# KiCad board AmigaPCI Mainboard.kicad_pcb (continued)
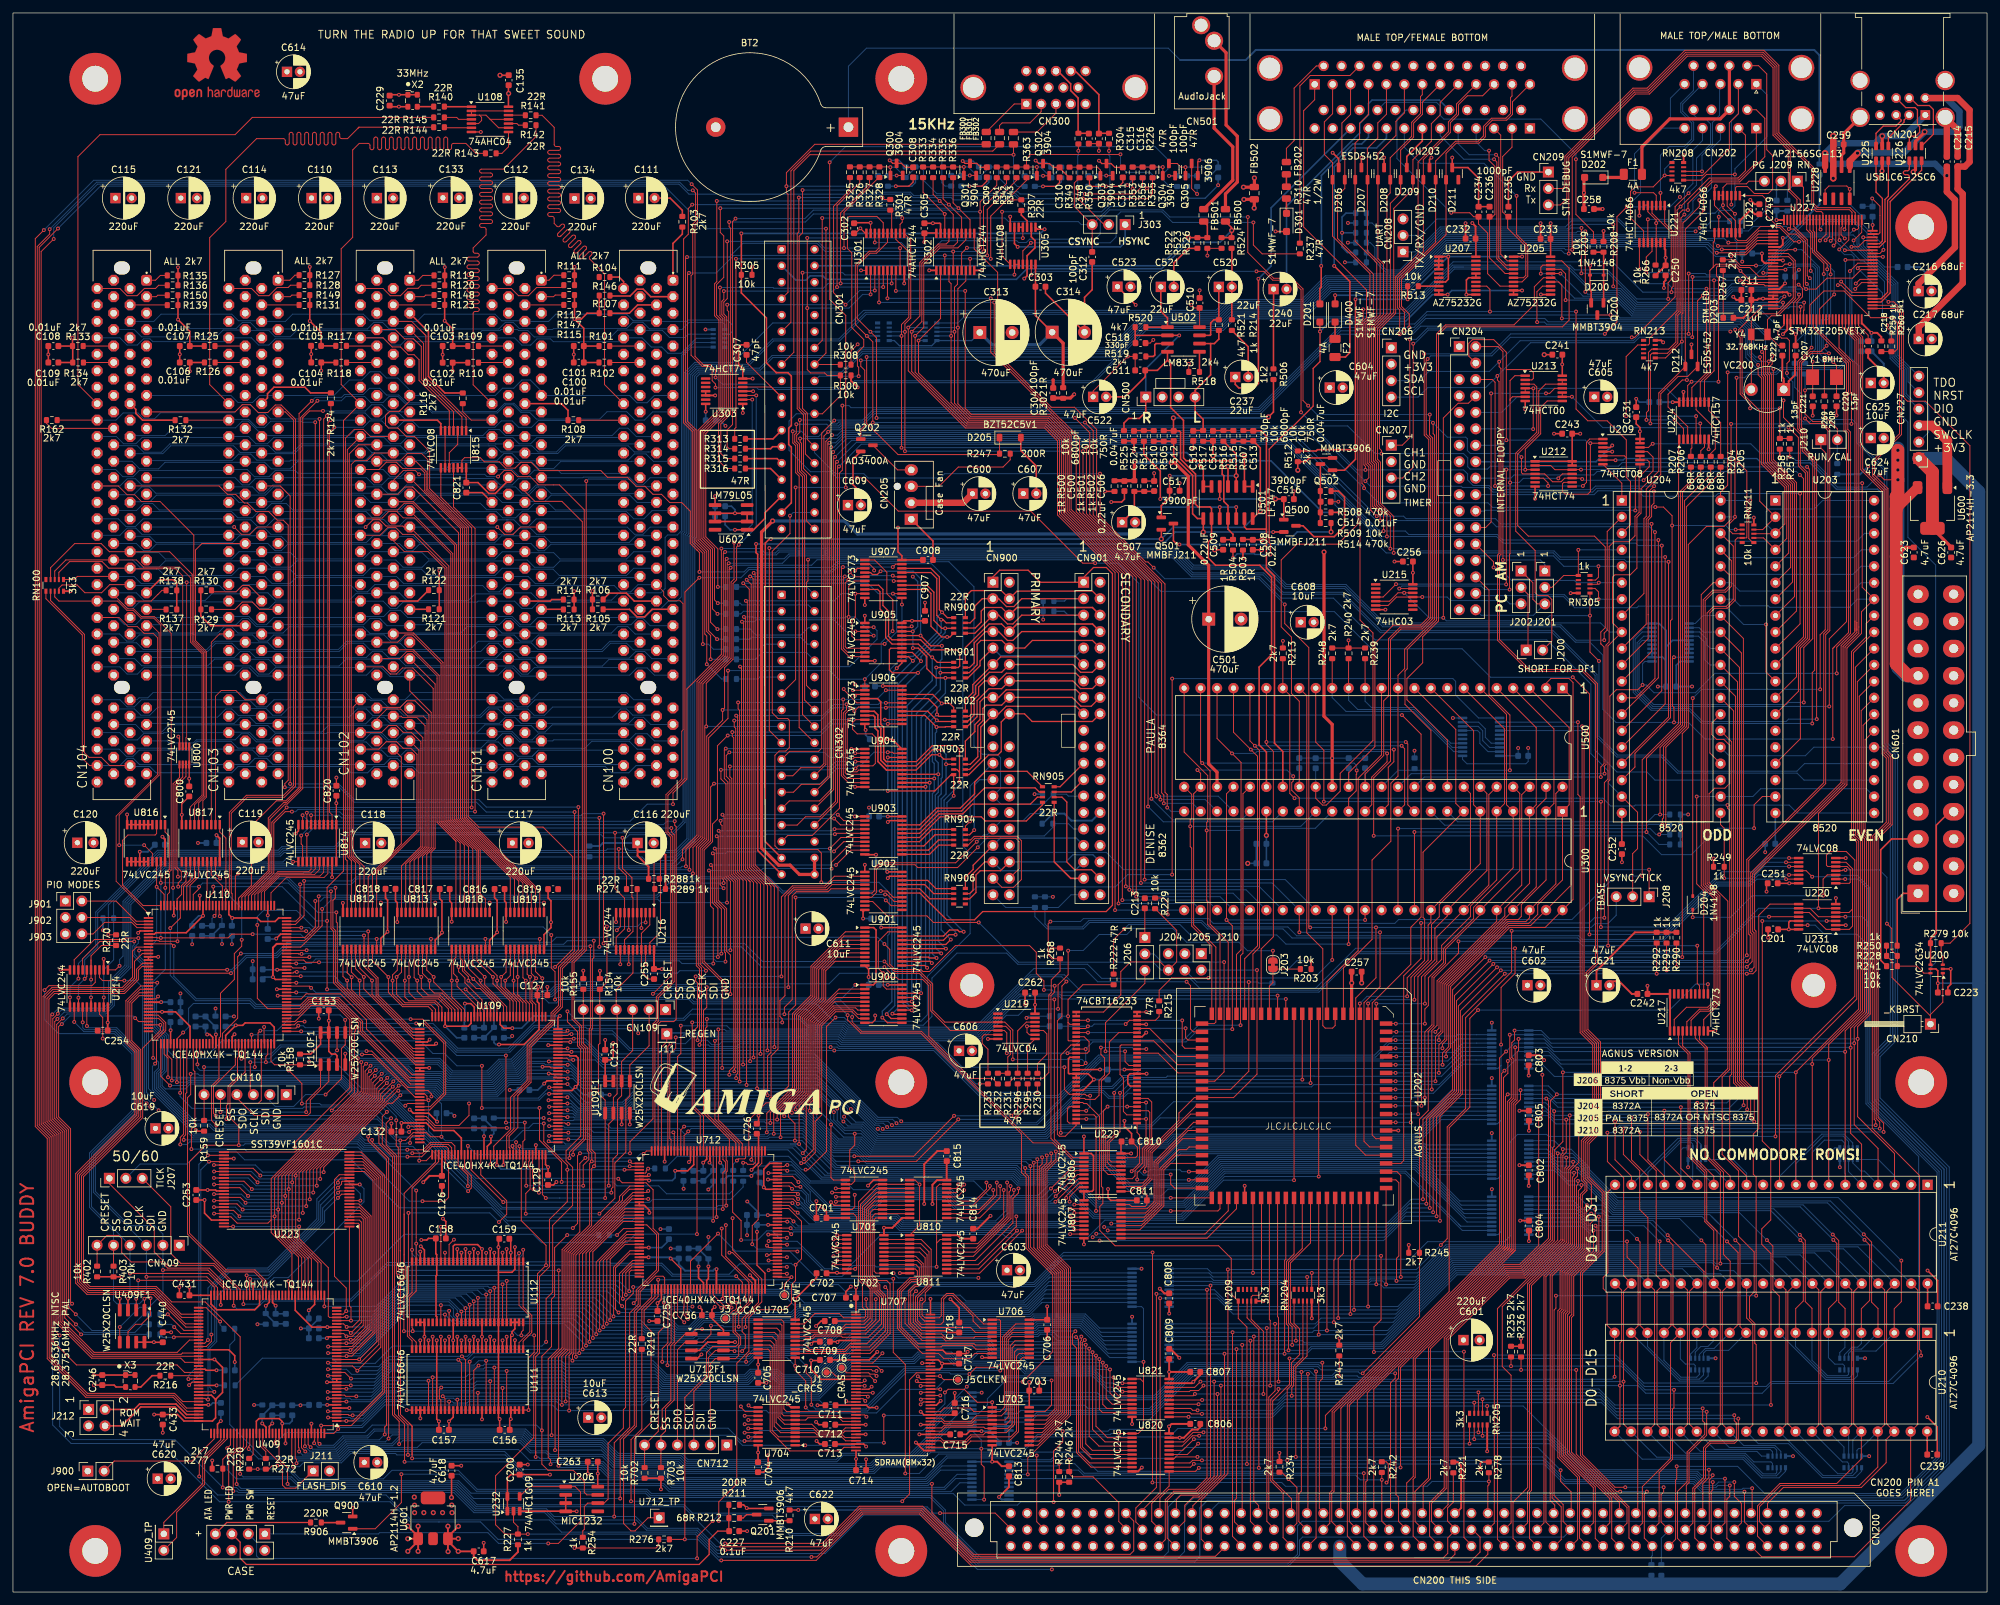
[diagram p0: board, top side]
## Routing (per net, layer and track width the routed paths; a pad name or vN(x,y) marks a point on that pad's centre or on a via; arc(x,y) is an arc through that point) (continued)
AD14: length 136.2
  Top w0.13: 60.52,147.79 59.41,146.67 CN102.B45
  Top w0.15: U818.7 69.69,115.35 66.1,118.95 66.1,143.42 61.73,147.79 60.52,147.79
  Bottom w0.13: 15.64,146.58 19.09,146.58 20.11,145.56 29.95,145.56 31.21,146.82 35.72,146.82 ; 76.34,146.82 71.85,146.82 70.58,145.55 60.74,145.55 59.74,146.55 56.29,146.55 ; 56.03,146.82 51.51,146.82 50.25,145.56 40.42,145.56 39.4,146.58 35.95,146.58 ; 96.66,146.81 92.15,146.81 90.89,145.55 81.05,145.55 80.03,146.57 76.58,146.57
AD15: length 133.3
  Top w0.15: 58.87,148.09 61.85,148.09 66.4,143.54 66.4,119 70.34,115.06 U818.6
  Bottom w0.13: 58.86,148.08 69.13,148.08 70.13,149.08 74.51,149.08 75.51,148.08 78.89,148.08 ; 58.63,148.04 55.11,148.04 54.1,149.05 42.66,149.05 41.7,148.09 38.55,148.09 ; 79.17,148.08 92.39,148.08 93.39,149.08 94.93,149.08 96.07,147.94 99.35,147.94 ; 18.23,148.09 31.64,148.09 32.6,149.05 33.78,149.05 34.74,148.09 38.26,148.09
AD16: length 149.2
  Top w0.13: 61.64,160.66 60.41,160.66 58.72,162.34 CN102.A32
  Top w0.15: 71,104.95 71,114.76 66.7,119.06 66.7,158.06 64.09,160.66 61.64,160.66
  Bottom w0.13: 18.24,163.03 21.12,163.03 22.07,162.08 33.93,162.08 34.96,163.11 38.33,163.11 ; 79.18,163.02 81.11,163.02 81.12,163.03 82.05,163.03 83,162.08 95.16,162.08 96.19,163.11 99.29,163.11 ; 58.87,163.02 61.75,163.02 62.74,162.03 74.38,162.03 75.45,163.1 78.96,163.1 ; 38.55,163.03 41.43,163.03 42.38,162.08 54.58,162.08 55.62,163.12 58.66,163.12
AD17: length 155
  Top w0.13: 60.94,163.33 60.14,163.33 59.1,164.37 57.86,164.37 56.68,163.19 CN102.B32
  Top w0.15: U818.4 71.65,114.46 67,119.11 67,158.18 61.85,163.33 60.94,163.33
  Bottom w0.13: 33.48,163.34 36.52,163.34 37.47,164.29 38.86,164.29 39.82,163.33 53.49,163.33 ; CN104.B32 16.52,163.19 17.63,164.29 18.96,164.29 19.92,163.33 33.18,163.33 ; 53.81,163.35 57.03,163.35 57.97,164.29 59.18,164.29 60.15,163.32 73.83,163.32 ; 74.11,163.33 77.15,163.33 78.11,164.29 79.89,164.29 80.85,163.33 94.11,163.33
AD18: length 149.1
  Top w0.13: 77.23,163.33 78.35,164.45 CN101.A31 ; CN103.A31 37.72,164.45 36.6,163.34 35.27,163.34 v1(34.15,164.46)
  Top w0.15: v1(54.45,164.45) 55.59,165.59 56.63,165.59 57.61,164.61 60.2,164.61 60.35,164.45 CN102.A31 67.3,158.42 67.3,119.16 71.9,114.57 71.9,107.73 72.29,107.33 U818.3 ; 77.23,163.33 75.9,163.33 v1(74.78,164.45)
  Bottom w0.13: v1(74.78,164.45) 74.76,164.45 74.77,164.44 61.26,164.44 ; CN104.A31 34.13,164.45 34.13,164.46 v1(34.15,164.46) ; 101.89,164.44 98.39,164.44 97.29,163.34 95.96,163.34 94.85,164.44 81.57,164.44 ; CN103.A31 v1(54.45,164.45)
AD19: length 159.6
  Top w0.13: 53.75,165.83 57,165.83 58.02,166.85 59.28,166.85 60.26,165.87 62,165.87 67.6,160.27 67.6,159.63
  Top w0.15: U818.2 72.94,107.03 72.15,107.83 72.15,114.67 67.6,119.22 67.6,159.63
  Bottom w0.13: 94.27,165.71 80.78,165.71 79.61,164.55 78.37,164.55 77.35,165.57 76.18,165.57 76.46,165.57 74.12,165.57 ; CN101.B30 60.74,165.72 59.62,164.61 58.26,164.61 57.24,165.63 53.74,165.63 ; CN103.B30 20.09,165.72 18.92,164.55 17.44,164.55 16.26,165.72 CN104.B30 ; 53.63,165.72 40.32,165.72 39.15,164.55 37.75,164.55 36.73,165.57 33.48,165.57
AD20: length 152.2
  Top w0.15: U819.9 76.79,110.38 67.9,119.27 67.9,160.36 CN102.A29
  Bottom w0.13: 101.89,166.98 98.68,166.98 97.41,165.72 95.85,165.72 94.71,166.86 81.72,166.86 ; 40.85,166.9 38,166.9 36.99,165.89 34.72,165.89 33.75,166.86 20.76,166.86 ; 81.48,166.89 78.63,166.89 77.62,165.88 75.61,165.88 74.66,166.83 61.43,166.83 ; 61.11,166.84 57.59,166.84 56.64,165.89 55.47,165.89 54.5,166.86 41.08,166.86
AD21: length 159.3
  Top w0.13: 68.2,161.38 68.2,161.62 61.7,168.12 60.41,168.12 59.38,167.09 56.28,167.09
  Top w0.15: U819.8 77.44,110.08 68.2,119.32 68.2,161.38
  Bottom w0.13: 56.33,167.14 59.85,167.14 60.84,168.13 72.15,168.13 73.15,167.13 76.37,167.13 ; 76.63,167.12 79.52,167.12 80.5,168.1 82.73,168.1 83.74,167.09 96.73,167.09 ; 35.77,167.09 22.58,167.09 21.57,168.1 20.17,168.1 19.06,166.99 CN104.B29 ; 56.08,167.09 43.21,167.09 42.2,168.1 39.94,168.1 38.97,167.13 36,167.13
AD22: length 157.5
  Top w0.15: U819.7 78.09,109.79 68.5,119.38 68.5,161.69 61.83,168.36 58.82,168.36
  Bottom w0.13: 58.71,168.26 55.21,168.26 54.1,169.38 42.47,169.38 41.45,168.36 38.49,168.36 ; 58.82,168.36 61.78,168.36 62.8,169.38 74.43,169.38 75.55,168.25 79.04,168.25 ; 99.35,168.25 96.36,168.25 95.24,169.38 83.11,169.38 82.15,168.42 79.2,168.42 ; 18.18,168.36 21.14,168.36 22.16,169.38 33.79,169.38 34.9,168.26 CN103.A28
AD23: length 162.7
  Top w0.13: 60.53,170.65 59.41,169.53 CN102.B27 ; 68.8,119.92 68.8,119.42 78.74,109.48 U819.6
  Top w0.15: 68.8,119.92 68.8,163.58 61.73,170.65 60.53,170.65
  Bottom w0.13: 35.72,169.68 22.06,169.68 21.09,170.65 19.86,170.65 18.65,169.44 15.64,169.44 ; 76.34,169.68 62.7,169.68 61.73,170.65 60.77,170.65 59.55,169.43 56.27,169.43 ; 56.03,169.68 42.38,169.68 41.41,170.65 40.25,170.65 38.99,169.39 36,169.39 ; 96.75,169.61 83.09,169.61 82.05,170.65 81.12,170.65 81.11,170.64 80.88,170.64 79.62,169.38 76.63,169.38
AD24: length 159.1
  Top w0.15: CN102.A25 69.1,164.24 69.1,119.46 79.39,109.17 U819.5
  Bottom w0.13: 40.8,171.93 37.41,171.93 36.44,170.96 35.4,170.96 34.29,172.07 CN104.A25 ; 81.43,171.92 78.04,171.92 77.07,170.95 75.24,170.95 74.23,171.96 70.06,171.96 69.95,172.06 61.26,172.06 ; 81.57,172.06 87.98,172.06 88.07,172.16 95.18,172.16 96.37,170.97 97.28,170.97 98.38,172.06 101.89,172.06 ; 61.19,172 57.99,172 56.95,170.96 55.72,170.96 54.61,172.07 CN103.A25
AD25: length 171.2
  Top w0.13: 69.4,163.47 69.4,164.28 63.56,170.11 63.56,172.83
  Top w0.15: 63.56,172.83 62.92,173.48 60.17,173.48 59.18,174.47 57.64,174.47 56.51,173.34 CN102.B24 ; U819.4 80.04,108.87 69.4,119.51 69.4,163.47
  Bottom w0.13: 53.63,173.34 53.04,172.75 44.01,172.75 43.55,173.21 40.52,173.21 39.54,172.23 37.28,172.23 36.16,173.34 33.31,173.34 ; CN102.B24 57.15,173.34 58.26,172.23 59.86,172.23 60.9,173.27 67.09,173.27 67.37,173.55 73.76,173.55 ; 33.16,173.18 19.5,173.18 18.55,172.23 16.97,172.23 15.85,173.34 CN104.B24 ; 73.95,173.33 77.09,173.33 78.2,172.22 79.49,172.22 80.5,173.24 84.15,173.24 84.64,172.74 93.67,172.74 94.27,173.33
AD26: length 162.2
  Top w0.13: 69.7,163.86 69.7,164.3 63.81,170.2 63.81,173.02
  Top w0.15: 63.81,173.02 62.21,174.61 CN102.A23 ; U819.3 80.69,108.57 69.7,119.56 69.7,163.86
  Bottom w0.13: 61.13,174.75 57.86,174.75 56.86,175.75 55.43,175.75 54.46,174.78 42.9,174.78 42.76,174.64 40.97,174.64 ; 20.72,174.71 33.82,174.71 34.83,175.72 36.72,175.72 37.66,174.78 40.78,174.78 ; 81.52,174.68 78.2,174.68 77.06,175.82 75.82,175.82 74.75,174.75 61.4,174.75 ; 101.89,174.6 98.88,174.6 97.74,175.75 95.95,175.75 94.98,174.78 81.75,174.78
AD27: length 169.6
  Top w0.13: 70,163.89 70,164.33 64.04,170.29 64.04,172.7 64.05,172.71 64.05,174.86 63.1,175.81 60.9,175.81 59.86,174.77 56.34,174.77
  Top w0.15: U819.2 81.34,108.28 70,119.62 70,163.89
  Bottom w0.13: 76.64,174.45 80.19,174.45 81.13,173.51 83.5,173.51 84.54,174.55 95.44,174.55 95.51,174.61 CN100.B23 ; 76.34,174.45 67.85,174.45 66.9,173.5 60.82,173.5 59.8,174.52 56.28,174.52 ; 35.7,174.45 23.49,174.45 22.48,173.44 19.57,173.44 18.39,174.61 CN104.B23 ; 56.12,174.55 43.9,174.55 42.79,173.44 39.89,173.44 38.87,174.46 36.01,174.46
AD28: length 160.9
  Top w0.13: 54.57,174.7 52.81,174.7 52.23,174.12 52.23,173.44
  Top w0.15: U812.6 53.56,112.33 52.23,113.66 52.23,173.44 ; CN102.A22 55.84,175.88 54.66,174.7 54.57,174.7
  Bottom w0.13: 58.62,175.98 55.39,175.98 54.37,177 44.66,177 43.44,175.78 38.51,175.78 ; 38.31,175.98 35.08,175.98 34.06,177 24.35,177 23.13,175.78 18.19,175.78 ; 99.2,176.05 98.08,176.05 98.08,176.05 95.95,176.05 95,176.99 85.29,176.99 84.12,175.82 79.11,175.82 ; 78.88,176.05 75.38,176.05 74.43,177 73.5,177 73.49,176.99 64.98,176.99 63.76,175.77 58.84,175.77
AD29: length 159.9
  Top w0.15: 56.18,177.16 53.34,177.16 51.93,175.75 51.93,113.6 52.91,112.63 U812.7
  Bottom w0.13: 76.35,177.29 74.56,177.29 74.55,177.3 73.38,177.3 73.37,177.29 64.85,177.29 63.56,176 60.83,176 59.82,177.01 56.32,177.01 ; 76.63,177.01 80.13,177.01 81.09,176.05 83.92,176.05 85.16,177.29 96.66,177.29 ; 15.68,177.02 19.19,177.02 20.19,176.01 22.93,176.01 24.22,177.3 35.72,177.3 ; 56.03,177.3 44.53,177.3 43.24,176.01 40.5,176.01 39.5,177.02 35.99,177.02
AD30: length 166.6
  Top w0.13: 51.33,177.62 51.33,178.18 52.69,179.54 54.09,179.54 55.21,178.42 CN102.A20
  Top w0.15: 51.33,177.62 51.33,113.19 51.6,112.91 U812.9
  Bottom w0.13: 18.23,178.57 23.48,178.57 24.68,179.77 34.37,179.77 35.4,180.81 36.33,180.81 38.4,178.74 ; 58.87,178.57 72.55,178.57 73.51,179.53 75.09,179.53 76.04,178.58 78.89,178.58 ; 58.63,178.52 55.11,178.52 54.1,179.53 52.87,179.53 51.91,178.57 38.55,178.57 ; 79.18,178.57 92.5,178.57 93.66,179.73 94.94,179.73 96.25,178.41 99.35,178.41
AD31: length 158.2
  Top w0.15: CN102.B20 51.63,176.41 51.63,113.55 52.26,112.92 ; U812.8 52.25,112.92
  Bottom w0.13: 53.78,178.29 57.3,178.29 58.27,177.32 59.85,177.32 60.8,178.27 73.81,178.27 ; 74.13,178.26 77.2,178.26 78.15,177.31 79.92,177.31 80.89,178.27 94.1,178.27 ; 53.48,178.27 40.24,178.27 39.29,177.32 37.52,177.32 36.41,178.42 33.31,178.42 ; CN104.B20 15.97,178.42 17.08,177.32 18.98,177.32 19.93,178.27 33.17,178.27
AGNUS_REV: length 59.6
  Top w0.15: v1(120.84,107.25) 120.84,90.63 119.77,89.56 119.77,78.15 117.16,75.54 116.27,75.54 113.62,72.88 U712.114 ; U902.12 135.59,105.99 v1(134.77,106.81)
  Bottom w0.15: v1(134.77,106.81) 134.33,107.25 v1(120.84,107.25)
AgnusCLK: length 218.3
  Top w0.15: v1(181.21,94.24) 181.82,93.63 181.82,86.93 182.24,86.51 U202.34 ; v1(82.32,38.63) 82.32,45.3 83.33,46.31 83.33,56.62 86.41,59.69 86.41,65.6 85.4,66.62 85.4,68.13 87.66,70.4 87.66,83.84 87.16,84.34 87.16,86.52 85.61,88.07 v1(85.61,89.67)
  Bottom w0.15: v1(82.32,38.63) 81.67,37.98 58.59,37.98 55.92,35.31 50.12,35.31 49.32,36.11 38.5,36.11 R217.1 ; v1(85.61,89.67) 86.68,88.6 103.52,88.6 104.93,90 122.5,90 124.67,87.83 128.37,87.83 128.98,87.23 148.58,87.23 157.63,96.28 165.44,96.28 167.48,94.24 v1(181.21,94.24)
AREV: length 83.4
  Top w0.15: U902.8 132.73,106.64 134.95,104.41 141.11,104.41 142.12,103.4 v1(149.11,103.4) ; 176.34,105.52 179.68,102.19 179.68,97.32 AGNUS1.6 177.14,97.3 172.54,97.3 171.05,95.81 171.05,92.23 168.38,89.56 U229.29 U229.30
  Bottom w0.15: v1(149.11,103.4) 155.25,97.26 176.04,97.26 177.26,96.04 AGNUS1.6
ATA_LED: length 15.4
  Top w0.2: R906.2 33.02,10.74 CN_CASE1.7
AUDIN: length 12.3
  Top w0.25: C240.1 194.64,198.92 194.62,198.9 R506.1
AUDIO: length 200.8
  Top w0.15: C517.2 180.13,171.24 ; C510.2 v1(183.22,201.01) ; v1(184.42,206.37) 184.41,206.38 R523.1 R526.1 ; C522.1 166.78,185.45 v1(172.13,190.8) R519.2 C511.1 ; C519.1 182.24,176.58 v1(182.25,176.57) ; 185.55,160.94 v2(185.54,160.94) ; 197.77,169.97 v1(197.77,169.98) ; v1(204.64,168.37) 204.64,168.37 C514.2 ; v1(176.07,193.35) 175.58,192.86 C518.1 ; R518.2 v1(181.55,189.66)
  Top w0.2: v1(176.2,172.77) C506.2 174.72,171.56
  Top w0.25: C509.1 185.55,160.94 ; C516.2 197.77,169.97 ; C508.2 v2(192.77,160.94)
  Top w0.5: v2(202.43,160.6) 202.42,135.25 203.69,133.98 v1(203.69,128.77) U500.34 ; v2(117.29,165.39) 115.58,163.68 115.58,114.89 118.23,112.25 119.99,112.25 121.43,110.81 CN302.36 CN302.34 ; v2(190.06,215.04) 190.08,215.06 FB502.1 191.66,213.72 v2(191.65,213.71)
  Bottom w0.15: C202.2 v1(203.69,128.77) 203.69,128.77 C205.2
  Bottom w0.5: v2(117.29,165.39) 128.39,165.39 130.4,163.38 172.58,163.38 173.25,164.06 C507.2
  vias: v1(180.14,171.25)
AUDOUT: length 11
  Top w0.25: 188.21,201.47 188.21,207.39 ; C520.2 188.19,196.48
B0: length 83.8
  Top w0.15: U302.9 147.77,205.87 v1(147.78,205.87) ; R363.1 156.49,217.99 150.97,212.47 v1(150.97,205.87) ; R313.2 111.44,179.64 111.63,179.83 v1(111.63,205.87)
  Bottom w0.15: v1(150.97,205.87) v1(147.78,205.87) v1(111.63,205.87)
B1: length 126.9
  Top w0.15: v1(104.38,203.69) 104.15,203.46 104.15,180.79 105.47,179.46 105.47,162.31 107.12,160.67 107.12,148.32 107.72,147.72 v1(107.72,144.03) ; R343.1 154.95,218 150.43,213.48 v1(150.43,206.4) ; v1(143.88,206.4) 143.87,206.39 U302.3
  Bottom w0.15: v1(104.38,203.69) 108.57,203.69 111.28,206.4 v1(143.88,206.4) 146.25,206.4 v1(150.43,206.4) ; v1(107.72,144.03) R323.2
B2: length 131.2
  Top w0.15: v1(149.85,207.01) 149.86,207.01 149.86,213.94 153.41,217.5 R342.1 ; v1(104.07,206.15) 103.85,205.92 103.85,180.66 105.18,179.34 105.18,162.19 106.81,160.55 106.81,147.95 107.13,147.63 v1(107.13,143.27) ; U302.5 145.17,207.01 v1(145.17,207.01)
  Bottom w0.15: v1(107.13,143.27) 109.41,140.99 R324.2 ; v1(104.07,206.15) 110.56,206.15 110.58,206.13 112.73,208.27 124.15,208.27 125.41,207.01 v1(145.17,207.01) v1(149.85,207.01)
B3: length 93.2
  Top w0.15: v1(147.3,207.58) 146.47,206.75 U302.7 ; R314.2 110.59,176.55 110.27,176.87 110.27,179.46 111.1,180.29 111.1,211.62 v1(111.57,212.08) ; R341.1 151.9,217.23 149.33,214.66 v1(149.33,213.15) v1(149.33,207.58)
  Bottom w0.15: v1(111.57,212.08) 122.27,212.08 123.58,213.39 145.5,213.39 145.74,213.15 v1(149.33,213.15) ; v1(147.3,207.58) v1(149.33,207.58)
BLUE: length 73.5
  Top w0.15: CN301.15 120.57,191.44 120.57,219.47 123.04,221.95 v1(154.49,221.95) 154.48,221.96 FB302.2
  Bottom w0.15: R347.2 155.07,217.05 154.49,217.63 v1(154.49,221.95)
BURST: length 40.7
  Top w0.15: U301.16 134.37,211.44 133.39,212.42 129.12,212.42 128.84,212.14 128.84,207.47 129.51,206.79 129.51,195.26 131.36,193.42 131.36,192.37 130.38,191.39 130.38,189.32 130.58,189.12 v1(130.58,187.75)
  Bottom w0.15: v1(130.58,187.75) 124.5,187.75 CN301.18
C1: length 245.6
  Top w0.15: v1(165.63,81.68) 165.26,81.31 U229.42 ; v1(154.38,82.25) 154.38,86.77 153.14,88.01 U219.3 143.86,88.01 142,89.87 142,93.9 140.07,95.82 136.1,95.82 v1(134.55,97.37) ; v1(45.37,120.33) 45.38,120.32 U814.8 ; v1(188.27,86.92) 188.27,102.88 v1(187.37,103.78) 187.37,106.96 187.38,106.96 187.38,123.26 U500.28 ; v1(91.19,100.16) v1(91.19,120.2) ; U229.38 165.63,83.85 v1(165.63,83.85) ; U300.36 v1(208.77,103.78)
  Bottom w0.15: v1(208.77,103.78) v1(187.37,103.78) ; v1(188.27,86.92) 183.09,86.92 181.12,84.95 166.73,84.95 v1(165.63,83.85) v1(165.63,81.68) 165.06,82.25 v1(154.38,82.25) ; v1(91.19,100.16) 112.94,100.16 115.73,97.37 v1(134.55,97.37) ; v1(45.37,120.33) 45.51,120.47 50.47,120.47 51.06,119.88 87.67,119.88 87.99,120.2 v1(91.19,120.2)
C3: length 222.5
  Top w0.15: v1(153.45,83.21) 153.45,86.34 153.08,86.71 U219.5 144.74,86.71 141.7,89.75 141.7,93.77 139.95,95.52 135.53,95.52 v1(134.55,96.5) ; U229.35 165.39,85.75 166.15,84.98 166.15,83.51 165.85,83.21 U229.39 162.82,83.21 v1(162.82,83.21) ; v1(189.54,87.53) 189.54,98.27 189.92,98.65 189.92,123.26 U500.29 ; v1(46.03,119.95) 46.03,119.94 U814.7 ; v1(90.54,99.64) v1(90.54,119.54)
  Bottom w0.15: v1(189.54,87.53) 183.04,87.53 180.76,85.25 164.86,85.25 v1(162.82,83.21) v1(153.45,83.21) ; v1(134.55,96.5) 115.6,96.5 112.46,99.64 v1(90.54,99.64) ; v1(90.54,119.54) 50.75,119.54 50.34,119.95 v1(46.03,119.95)
CBANK0: length 36.5
  Top w0.15: v1(131.51,32.68) 131.18,32.35 U707.22 ; U712.52 106.12,45.28 v1(106.12,45.28)
  In2.Cu w0.15: v1(131.51,32.68) 130.82,33.37 130.82,37.69 125.34,43.18 113.12,43.18 112.67,42.72 110.11,42.72 109.51,43.32 108.07,43.32 v1(106.12,45.28)
CBANK1: length 60.8
  Top w0.15: U707.23 v1(131.51,31.85) ; v1(95.84,44.61) 96.24,45.01 96.24,46.63 99.36,49.75 99.36,55.21 97.87,56.7 U712.20
  In2.Cu w0.15: v1(131.51,31.85) 130.52,32.83 130.52,37.56 125.21,42.88 113.35,42.88 112.9,42.43 109.99,42.43 109.4,43.01 105.98,43.01 v1(104.91,44.08)
  Bottom w0.15: v1(104.91,44.08) 96.37,44.08 v1(95.84,44.61)
CCLKE: length 41.1
  Top w0.15: U712.84 v1(116.68,54.2) ; J5.1 143.69,32.8 v1(143.14,33.35) U707.67
  In2.Cu w0.15: v1(116.68,54.2) 116.71,54.16 121.14,54.16 139.59,35.72 139.59,35.4 141.63,33.35 v1(143.14,33.35)
CDAC: length 64.9
  Top w0.15: v1(104.27,71.13) 103.62,70.48 U712.134 ; 156.66,78.46 156.66,75.01 v1(154.94,73.29) ; v1(145.96,72.99) 139.48,66.51 v1(130.52,66.51)
  Bottom w0.15: v1(145.96,72.99) 154.64,72.99 v1(154.94,73.29) ; v1(104.27,71.13) 104.72,71.58 121.99,71.58 127.07,66.51 v1(130.52,66.51)
CDONE: length 376.3
  Top w0.15: v1(79.03,72.5) 79.03,69.85 78.73,69.55 U109.65 78.73,65.72 78.49,65.47 78.49,57.35 82.31,53.53 v1(82.31,50.46) 81,49.15 81,37.13 80.41,36.54 80.41,23.84 74.52,17.96 74.52,10.39 75.96,8.95 R227.1 ; U232.2 77.29,10.78 77.97,10.1 R227.1 ; U110.65 v1(36.84,86.06) ; v1(76.12,82.85) 76.12,72.5 v1(76.12,72.5) ; v1(111.66,48.77) 112.62,47.82 U712.65 ; v1(123.29,5.41) 124.12,5.41 131.06,12.35 140.09,12.35 147.82,4.62 224.96,4.62 226.52,6.18 226.52,8.48 225.35,9.65 ; U409.65 v1(34.08,44.21) ; R227.1 v1(79.5,8.95)
  Bottom w0.15: v1(123.29,5.41) 108.9,5.41 105.37,8.95 v1(79.5,8.95) ; v1(76.12,72.5) v1(79.03,72.5) ; v1(34.08,44.21) 34.59,43.7 37.55,43.7 38.79,44.94 52.28,44.94 57.82,50.48 73.12,50.48 73.13,50.46 v1(82.31,50.46) 100.07,50.46 101.76,48.77 v1(111.66,48.77) ; v1(36.84,86.06) 65.31,86.06 68.52,82.85 v1(76.12,82.85)
CIAA8: length 107
  Top w0.15: U217.9 261.05,88.41 263.55,90.91 263.55,107.48 261.57,109.46 261.57,151.19 262.59,152.2 264.53,152.2 265.62,153.29 265.62,161.51 U204.38
  Bottom w0.15: U203.38 285.89,163.48 284.69,162.27 264.86,162.27 U204.38
CIAA9: length 105.8
  Top w0.15: U217.6 259.1,88.29 260.51,89.7 261.92,89.7 263.25,91.03 263.25,107.36 261.27,109.33 261.27,153.09 262.59,154.41 264.43,154.41 265.32,155.3 265.32,159.27 U204.37
  Bottom w0.15: U204.37 264.86,159.73 284.2,159.73 285.42,160.94 U203.37
CIAA10: length 103.3
  Top w0.15: U217.5 258.45,88.06 260.39,90 261.79,90 262.95,91.16 262.95,107.23 260.98,109.21 260.98,153.22 262.47,154.71 264.31,154.71 265.02,155.42 265.02,157.03 U204.36
  Bottom w0.15: U204.36 264.9,157.15 284.11,157.15 285.36,158.4 U203.36
CIAA11: length 101.2
  Top w0.15: U204.35 262.52,155.86 260.68,154.02 260.68,109.08 262.65,107.11 262.65,91.28 261.67,90.3 258.39,90.3 256.5,88.41 U217.2
  Bottom w0.15: U203.35 285.38,155.86 284.08,154.57 266.61,154.57 265.32,155.86 U204.35
CIAADL: length 305.1
  Top w0.15: v1(202.64,25.26) 202.64,27.27 221.75,46.38 221.75,71.7 224.94,74.89 224.94,88.59 v1(226.21,89.87) ; 261.7,92.36 v1(261.7,93.87)
  Bottom w0.15: v1(261.7,93.87) 259.79,93.87 255.79,89.87 v1(226.21,89.87) ; R293.2 34.24,38.92 33.48,38.16 33.48,25.88 38.5,20.86 50.34,20.86 51.78,22.3 62.41,22.3 63.17,23.06 78.3,23.06 79.86,21.5 82.28,21.5 82.83,20.96 90.95,20.96 92.62,19.29 102.4,19.29 103.36,18.33 133,18.33 134,19.32 139.44,19.32 141.72,21.6 150.7,21.6 150.7,21.61 155.88,21.61 158.23,23.95 178.56,23.95 179.87,25.26 v1(202.64,25.26)
CIAR_W: length 59.3
  Top w0.15: v1(259.97,122.84) 259.97,109.36 261.05,108.28 261.05,92.36
  Bottom w0.15: U203.22 286.15,124.05 269.85,124.05 268.64,122.84 U204.22 v1(259.97,122.84)
CLK7: length 49.1
  Top w0.15: v1(206.23,100.05) U300.35 ; v1(171.6,102.41) 169.94,100.75 R222.1
  Bottom w0.15: v1(206.23,100.05) 206.23,100.05 196.56,100.05 195.14,101.47 181.79,101.47 180.17,103.09 172.28,103.09 v1(171.6,102.41)
CLK28: length 4.3
  Top w0.15: U409.94 R216.1
CLK40A: length 183.5
  Top w0.15: U712.49 104.62,51.1 v1(108.86,55.35) ; 240.59,12.19 240.59,15.45 238.96,17.08 v1(238.96,18.81) ; v1(137.78,18.31) 137.78,18.31 137.78,35.15 135.92,37 v1(135.92,48.38)
  Bottom w0.15: v1(135.92,48.38) 124.18,48.38 119.91,52.65 111.56,52.65 v1(108.86,55.35) ; v1(238.96,18.81) 235.45,22.32 180.97,22.32 179.3,20.65 166.65,20.65 165.69,21.61 157.35,21.61 157.05,21.31 142.93,21.31 139.94,18.31 v1(137.78,18.31)
CLK40B: length 48.3
  Top w0.15: U109.49 70.73,65.19 v1(75.71,60.21)
  Bottom w0.15: R251.2 112.74,62.55 110.82,60.63 98.76,60.63 98.31,60.18 92.78,60.18 92.75,60.2 75.72,60.2 v1(75.71,60.21)
CLK40C: length 97.8
  Top w0.15: U409.129 40.58,23.5 40.45,23.37 v1(40.45,22.94) ; U206.7 88.6,15 88.22,15.39 88.22,17.07 86.49,18.8 82.62,18.8 81.66,19.75 v1(81.66,24.96) 81.66,36.41 83.14,37.89 83.14,45.22 83.63,45.71 83.63,53.18 v1(85.58,55.13)
  Bottom w0.15: v1(81.66,24.96) 80.84,25.78 55.47,25.78 54.33,24.64 42.15,24.64 v1(40.45,22.94) ; R218.2 v1(85.58,55.13)
CLK40D: length 104.3
  Top w0.15: U110.49 28.84,83.48 v1(29.1,83.22) ; v1(81.3,74.75) 81.3,69.79 84.71,66.38 84.71,63.34 v1(84.72,63.33) ; v1(72.4,81.26) v1(72.4,74.75)
  Bottom w0.15: R252.2 111.21,62.09 110.62,61.5 100.93,61.5 99.71,62.72 93.26,62.72 92.65,63.33 v1(84.72,63.33) ; v1(72.4,74.75) v1(81.3,74.75) ; v1(72.4,81.26) 68.54,81.26 66.64,83.16 64.84,83.16 62.89,85.11 32.29,85.11 30.4,83.22 v1(29.1,83.22)
CLKCIA: length 420.7
  Top w0.15: v1(37.79,18.99) 37.78,18.98 R220.2
  Bottom w0.15: v1(37.79,18.99) 42.37,18.99 44.18,17.18 68.81,17.18 70.73,15.26 97.68,15.26 98.34,14.6 141.62,14.6 143.67,12.55 143.67,10.64 149.32,4.99 179.63,4.99 180.88,6.24 180.88,13.15 182.28,14.55 291.75,14.55 297.77,20.57 297.77,65.11 287.08,75.8 287.08,83.09 289.87,85.87 289.87,129.05 288.46,130.46 U203.25 278.06,130.46 276.74,129.14 264.97,129.14 U204.25
CLKPCI0: length 99.7
  Top w0.15: CN100.B16 91.34,186.45 91.34,203.56 89.08,205.82 arc(88.99,206.03) 89.08,206.24 89.33,206.49 arc(89.41,206.7) 89.33,206.92 arc(89.11,207) 88.9,206.92 87.98,205.99 arc(87.76,205.9) 87.55,205.99 arc(87.46,206.2) 87.55,206.42 88.48,207.34 arc(88.57,207.55) 88.48,207.77 arc(88.27,207.85) 88.05,207.77 87.13,206.84 arc(86.92,206.75) 86.7,206.84 arc(86.62,207.05) 86.7,207.26 87.63,208.19 arc(87.72,208.4) 87.63,208.61 arc(87.42,208.7) 87.21,208.61 86.28,207.69 arc(86.07,207.6) 85.86,207.69 arc(85.77,207.9) 85.86,208.11 86.78,209.04 arc(86.87,209.25) 86.78,209.46 arc(86.57,209.55) 86.36,209.46 85.43,208.54 arc(85.22,208.45) 85.01,208.54 arc(84.92,208.75) 85.01,208.96 85.93,209.89 arc(86.02,210.1) 85.93,210.31 arc(85.72,210.4) 85.51,210.31 84.58,209.39 arc(84.37,209.3) 84.16,209.39 arc(84.07,209.6) 84.16,209.81 85.08,210.74 arc(85.17,210.95) 85.08,211.16 arc(84.87,211.25) 84.66,211.16 84.41,210.91 arc(84.2,210.82) 83.99,210.91 83.57,211.33 83.57,212.12 arc(83.48,212.33) 83.27,212.42 82.87,212.42 arc(82.65,212.51) 82.57,212.72 arc(82.65,212.93) 82.87,213.02 84.27,213.02 arc(84.48,213.11) 84.57,213.32 arc(84.48,213.53) 84.27,213.62 82.87,213.62 arc(82.65,213.71) 82.57,213.92 arc(82.65,214.13) 82.87,214.22 84.27,214.22 arc(84.48,214.31) 84.57,214.52 arc(84.48,214.73) 84.27,214.82 82.87,214.82 arc(82.65,214.91) 82.57,215.12 arc(82.65,215.33) 82.87,215.42 84.27,215.42 arc(84.48,215.51) 84.57,215.72 arc(84.48,215.93) 84.27,216.02 82.87,216.02 arc(82.65,216.11) 82.57,216.32 arc(82.65,216.53) 82.87,216.62 84.27,216.62 arc(84.48,216.71) 84.57,216.92 arc(84.48,217.13) 84.27,217.22 82.87,217.22 arc(82.65,217.31) 82.57,217.52 arc(82.65,217.73) 82.87,217.82 84.27,217.82 arc(84.48,217.91) 84.57,218.12 arc(84.48,218.33) 84.27,218.42 82.87,218.42 arc(82.65,218.51) 82.57,218.72 arc(82.65,218.93) 82.87,219.02 84.27,219.02 arc(84.48,219.11) 84.57,219.32 arc(84.48,219.53) 84.27,219.62 82.87,219.62 arc(82.65,219.71) 82.57,219.92 arc(82.65,220.13) 82.87,220.22 84.27,220.22 arc(84.48,220.31) 84.57,220.52 arc(84.48,220.73) 84.27,220.82 82.87,220.82 arc(82.65,220.91) 82.57,221.12 arc(82.65,221.33) 82.87,221.42 84.27,221.42 arc(84.48,221.51) 84.57,221.72 arc(84.48,221.93) 84.27,222.02 82.87,222.02 arc(82.65,222.11) 82.57,222.32 arc(82.65,222.53) 82.87,222.62 84.27,222.62 arc(84.48,222.71) 84.57,222.92 arc(84.48,223.13) 84.27,223.22 83.87,223.22 arc(83.65,223.31) 83.57,223.52 83.57,226.16 81.69,228.04 R141.1
CLKPCI1: length 100.1
  Top w0.15: R142.1 80.76,224.76 75.72,219.72 72.35,219.72 arc(72.14,219.64) 72.05,219.42 arc(72.14,219.21) 72.35,219.12 73.75,219.12 arc(73.96,219.04) 74.05,218.82 arc(73.96,218.61) 73.75,218.52 72.35,218.52 arc(72.14,218.44) 72.05,218.22 arc(72.14,218.01) 72.35,217.92 73.75,217.92 arc(73.96,217.84) 74.05,217.62 arc(73.96,217.41) 73.75,217.32 72.35,217.32 arc(72.14,217.24) 72.05,217.02 arc(72.14,216.81) 72.35,216.72 73.75,216.72 arc(73.96,216.64) 74.05,216.42 arc(73.96,216.21) 73.75,216.12 72.35,216.12 arc(72.14,216.04) 72.05,215.82 arc(72.14,215.61) 72.35,215.52 73.75,215.52 arc(73.96,215.44) 74.05,215.22 arc(73.96,215.01) 73.75,214.92 72.35,214.92 arc(72.14,214.84) 72.05,214.62 arc(72.14,214.41) 72.35,214.32 73.75,214.32 arc(73.96,214.24) 74.05,214.02 arc(73.96,213.81) 73.75,213.72 72.35,213.72 arc(72.14,213.64) 72.05,213.42 arc(72.14,213.21) 72.35,213.12 73.75,213.12 arc(73.96,213.04) 74.05,212.82 arc(73.96,212.61) 73.75,212.52 72.35,212.52 arc(72.14,212.44) 72.05,212.22 arc(72.14,212.01) 72.35,211.92 73.75,211.92 arc(73.96,211.84) 74.05,211.62 arc(73.96,211.41) 73.75,211.32 72.35,211.32 arc(72.14,211.24) 72.05,211.02 arc(72.14,210.81) 72.35,210.72 72.75,210.72 arc(72.96,210.64) 73.05,210.42 73.05,209.55 71.05,207.55 71.05,207.04 arc(71.14,206.82) 71.35,206.74 71.7,206.74 arc(71.91,206.65) 72,206.44 arc(71.91,206.22) 71.7,206.14 70.4,206.14 arc(70.19,206.05) 70.1,205.84 arc(70.19,205.62) 70.4,205.54 71.7,205.54 arc(71.91,205.45) 72,205.24 arc(71.91,205.02) 71.7,204.94 70.4,204.94 arc(70.19,204.85) 70.1,204.64 arc(70.19,204.42) 70.4,204.34 71.7,204.34 arc(71.91,204.25) 72,204.04 arc(71.91,203.82) 71.7,203.74 70.4,203.74 arc(70.19,203.65) 70.1,203.44 arc(70.19,203.22) 70.4,203.14 71.7,203.14 arc(71.91,203.05) 72,202.84 arc(71.91,202.62) 71.7,202.54 70.4,202.54 arc(70.19,202.45) 70.1,202.24 arc(70.19,202.02) 70.4,201.94 71.7,201.94 arc(71.91,201.85) 72,201.64 arc(71.91,201.42) 71.7,201.34 70.4,201.34 arc(70.19,201.25) 70.1,201.04 arc(70.19,200.82) 70.4,200.74 71.7,200.74 arc(71.91,200.65) 72,200.44 arc(71.91,200.22) 71.7,200.14 70.4,200.14 arc(70.19,200.05) 70.1,199.84 arc(70.19,199.62) 70.4,199.54 71.7,199.54 arc(71.91,199.45) 72,199.24 arc(71.91,199.02) 71.7,198.94 70.4,198.94 arc(70.19,198.85) 70.1,198.64 arc(70.19,198.42) 70.4,198.34 71.7,198.34 arc(71.91,198.25) 72,198.04 arc(71.91,197.82) 71.7,197.74 71.35,197.74 arc(71.14,197.65) 71.05,197.44 71.05,186.42 CN101.B16
